# Altium PCB EVB-ANNA-B5x1_Certifi.PcbDoc (part 2 of 6)
Units mm, origin at the board's own origin, x right, y up, seen from the top; angles counter-clockwise.
Board outline 100 x 70 mm, 6 copper layers (L1, L2, L3, L4, L5, L6), stack 1.547 mm thick; 490 components, 296 nets, 1421 pads, 1473 vias.
Unrouted connection lines stored in the file: 3.
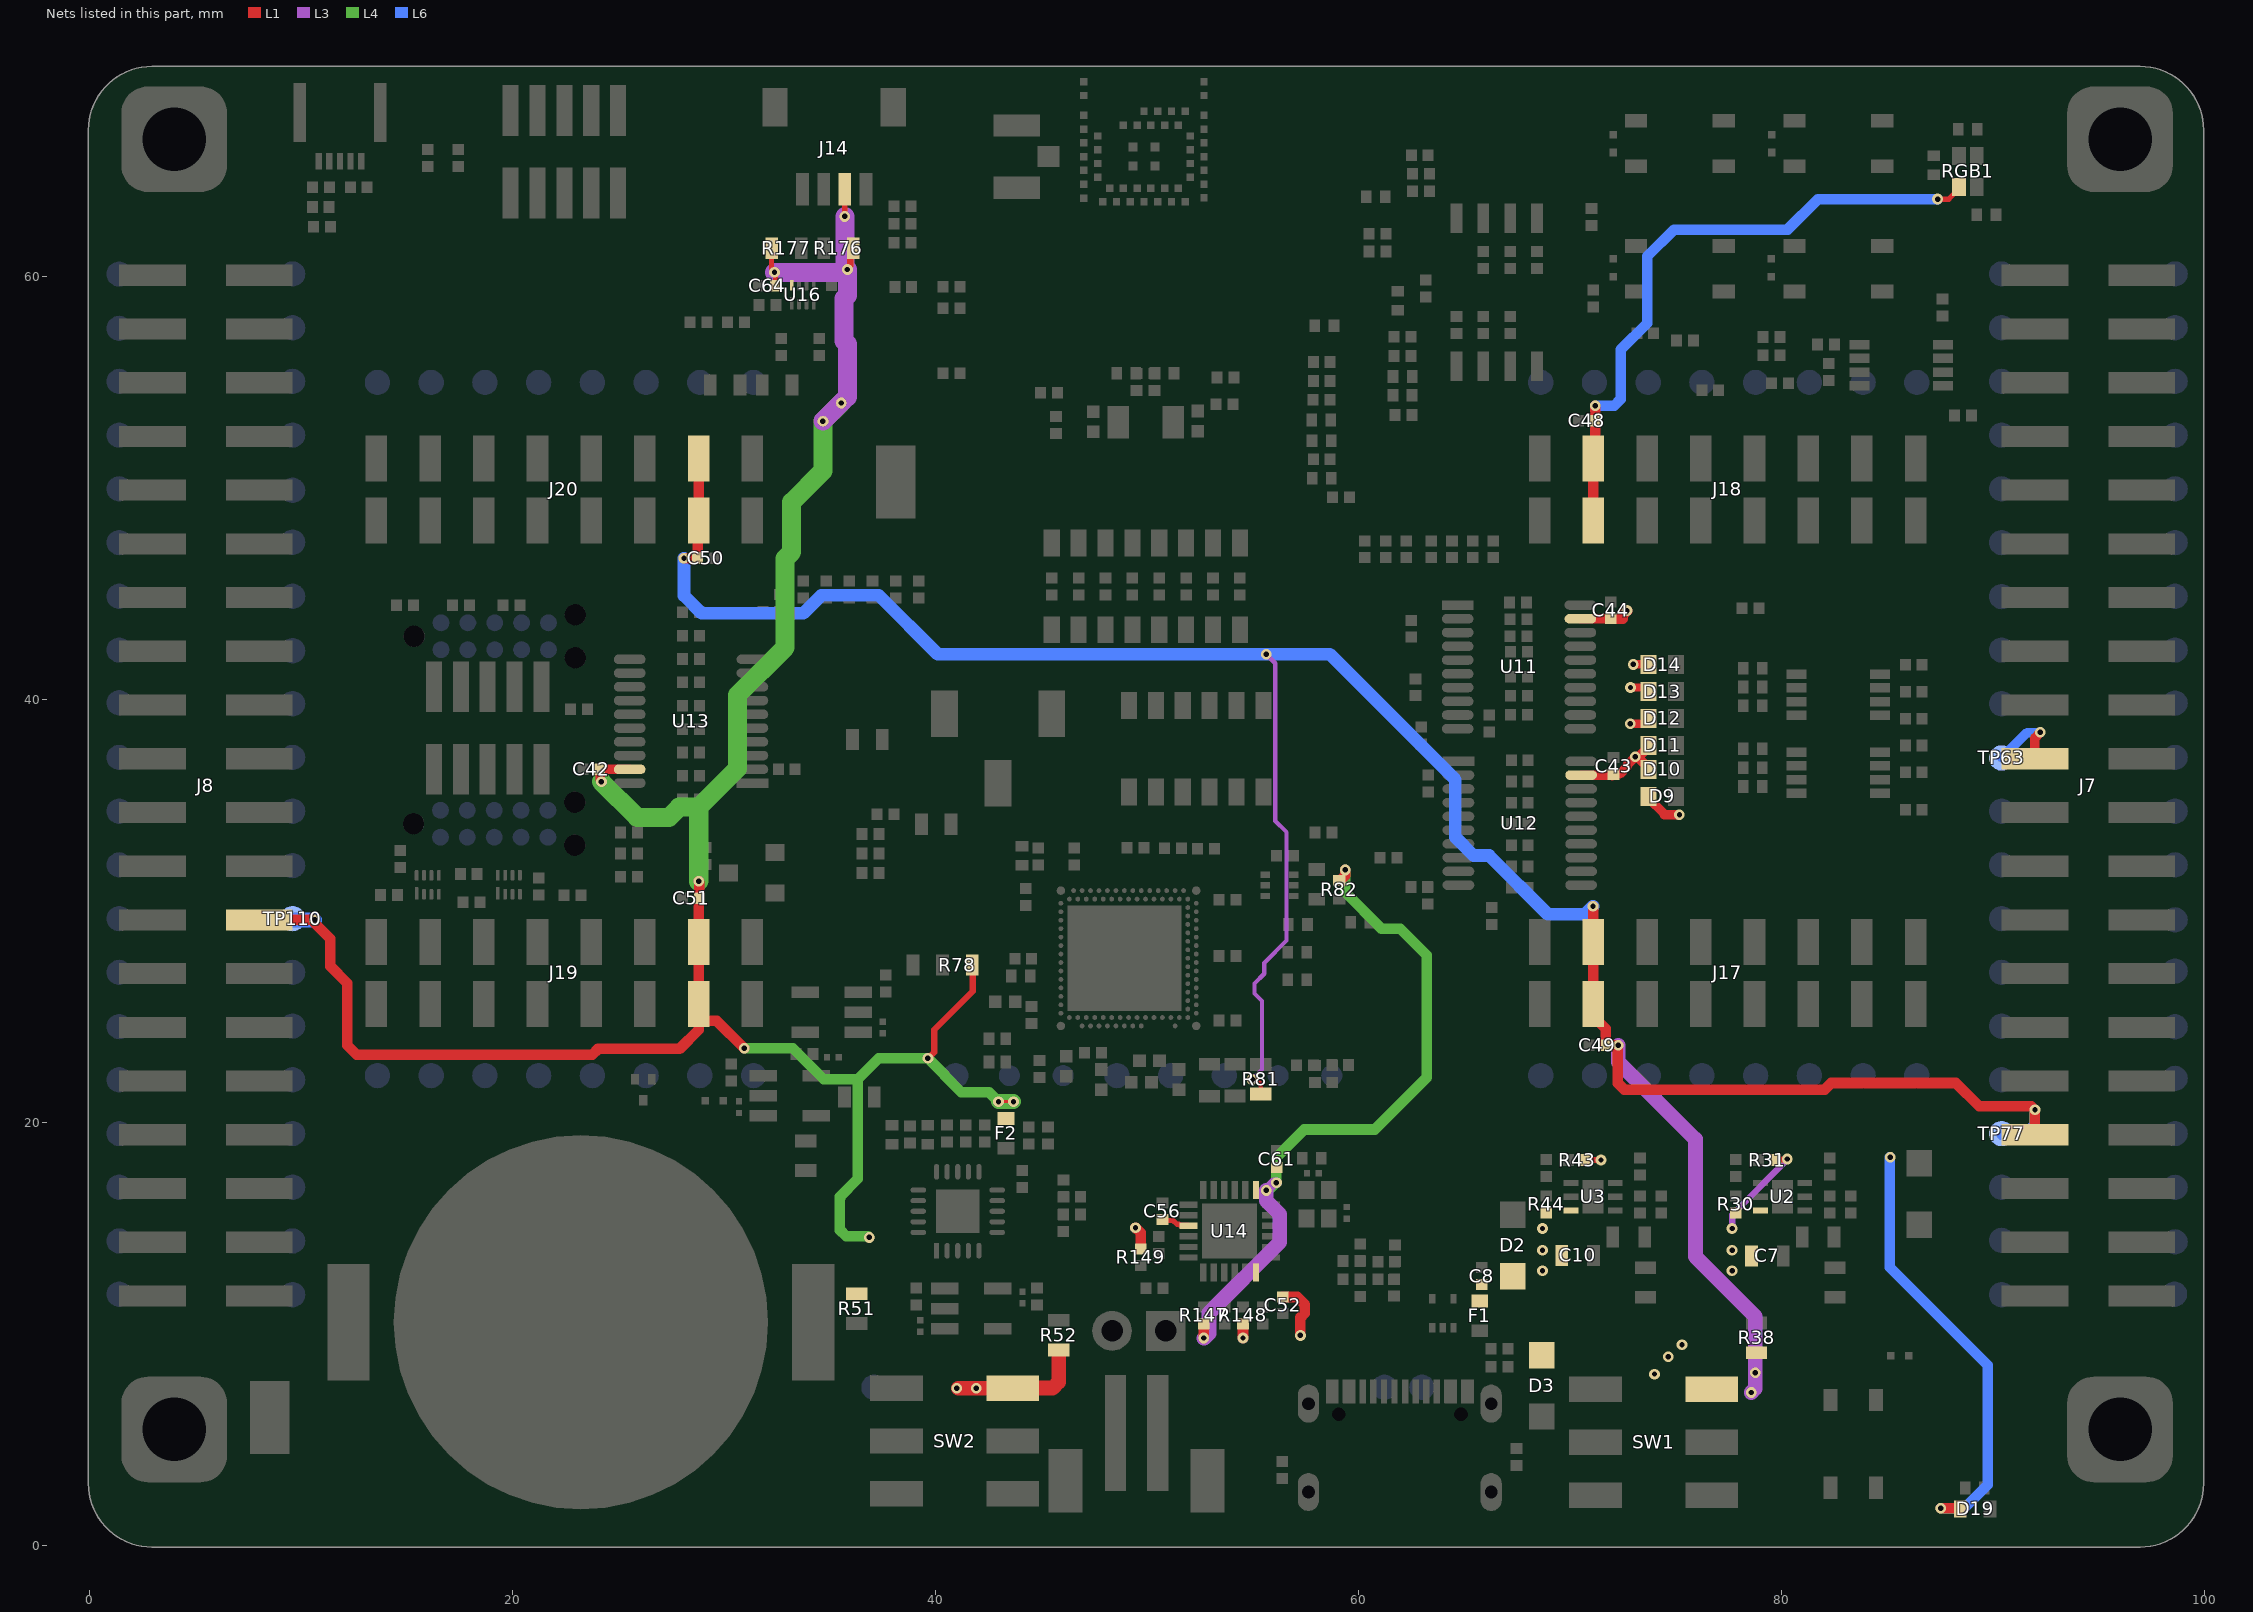
[diagram p6: the nets of this part, all layers, seen from the top]

## Footprints (in the part's own frame and the unit in brackets; to place one, negate y for a bottom-side part, rotate by r counter-clockwise, add the part's x,y. Pads: shape width x height; smd on the part's side, far side on the other; paste and mask are expansions set on the pad) (continued)
ANNA-B5 [mm] "Stand-alone BLE and IEEE802.15.4 module"
  rect 0.35x0.35 smd paste+0 mask+0: 1(0.41,6.09) 2(0.41,5.44) 3(0.41,4.498) 4(0.41,3.848) 7(0.41,1.898) 8(0.41,1.248) 34(6.09,5.44) 35(6.09,6.09)
  rect 0.35x0.35 smd paste+0 mask+0.05: 5(0.41,3.198) 6(0.41,2.548) 9(0.41,0.575) 10(1.06,3.523) 11(1.06,2.873) 12(1.06,2.223) 13(1.06,1.573) 14(1.3,0.41) 15(1.95,0.41) 16(2.6,0.41) 17(3.25,0.41) 18(3.9,0.41) 19(4.55,0.41) 20(5.2,0.41) 21(1.625,1.06) 22(2.275,1.06) 23(2.925,1.06) 24(3.575,1.06) 25(4.225,1.06) 26(4.875,1.06) 27(6.09,0.598) 28(6.09,1.248) 29(6.09,1.898) 30(6.09,2.548) 31(6.09,3.198) 32(6.09,3.848) 33(6.09,4.498) 36(5.44,1.573) 37(5.44,2.223) 38(5.44,2.873) 39(5.44,3.523) 40(5.2,4.685) 41(4.55,4.685) 42(3.9,4.685) 43(3.25,4.685) 47(4.875,4.035) 48(4.225,4.035) 49(3.575,4.035) 50(2.925,4.035) 51(2.275,4.035)
  rect 0.42x0.42 smd paste+0 mask+0: 53(2.73,2.998) 54(2.73,2.098) 55(3.77,2.098) 56(3.77,2.998)
  body extent 0,0 6.5,6.5, height 1.3
"AVX/Kyocera - 046284005001846" [mm] "FPC 0.50mm Pitch, 5Pin, R/A"
  rect 0.3x0.8 smd mask+0.05: 1(-1,2.3) 2(-0.5,2.3) 3(0,2.3) 4(0.5,2.3) 5(1,2.3)
  rect 0.6x2.8 smd mask+0: MP(-1.9,0) MP(1.9,0)
  silkscreen extent -2.22,1.55 2.22,2.42, body extent -2.2,-1.42 2.2,2.63, height 1.51
B2B-PH-SM4-TB [mm] "Connector Header Surface Mount, Vertical, 2 position 0.079\" (2.00mm)"
  rect 1x5.5 smd mask+0: 1(1,0)
  rect 1x5.5 smd mask+0.05: 2(-1,0)
  rect 1.6x3 smd mask+0: MH1(-3.35,2.25) MH1(3.35,2.25)
  silkscreen extent -4.1,-0.5 4.1,4.8, body extent -3.98,-2.3 3.98,4.7, height 6.61
"Cap 0201 HD"#1 [mm] "Chip Capacitor, 2-Leads, Body 0.60x0.30mm, IPC High Density"
  rect 0.3x0.3 smd: 1(-0.275,0)
  rect 0.3x0.3 smd mask+0: 2(0.275,0)
  body extent -0.32,-0.17 0.32,0.17, height 0.33
"Cap 0201 HD"#2 [mm] "Chip Capacitor, 2-Leads, Body 0.60x0.30mm, IPC High Density"
  rect 0.3x0.3 smd: 1(-0.275,0) 2(0.275,0)
  body extent -0.32,-0.17 0.32,0.17, height 0.33
"Cap 0402 HD"#1 [mm] "Chip Capacitor, 2-Leads, Body 1.00x0.50mm, IPC High Density"
  rect 0.52x0.55 smd: 1(-0.4,0) 2(0.4,0)
  body extent -0.55,-0.3 0.55,0.3, height 0.6
"Cap 0402 HD"#2 [mm] "Chip Capacitor, 2-Leads, Body 1.00x0.50mm, IPC High Density"
  rect 0.52x0.55 smd: 1(-0.4,0)
  rect 0.52x0.55 smd mask+0.05: 2(0.4,0)
  body extent -0.55,-0.3 0.55,0.3, height 0.6
"Cap 0402 HD"#3 [mm] "Chip Capacitor, 2-Leads, Body 1.00x0.50mm, IPC High Density"
  rect 0.52x0.55 smd mask+0.05: 1(-0.4,0)
  rect 0.52x0.55 smd: 2(0.4,0)
  body extent -0.55,-0.3 0.55,0.3, height 0.6
"Cap 0402 HD"#4 [mm] "Chip Capacitor, 2-Leads, Body 1.00x0.50mm, IPC High Density"
  rect 0.52x0.55 smd: 1(-0.4,0)
  rect 0.52x0.55 smd mask+0: 2(0.4,0)
  body extent -0.55,-0.3 0.55,0.3, height 0.6
"Cap 0402 HD"#5 [mm] "Chip Capacitor, 2-Leads, Body 1.00x0.50mm, IPC High Density"
  rect 0.52x0.55 smd mask+0.05: 1(-0.4,0)
  rect 0.52x0.55 smd mask+0: 2(0.4,0)
  body extent -0.55,-0.3 0.55,0.3, height 0.6
"Cap 0402 HD"#6 [mm] "Chip Capacitor, 2-Leads, Body 1.00x0.50mm, IPC High Density"
  rect 0.52x0.55 smd mask+0: 1(-0.4,0)
  rect 0.52x0.55 smd: 2(0.4,0)
  body extent -0.55,-0.3 0.55,0.3, height 0.6
Cap_0402_1100Lx600Wx600H_600x600Pad_350G_FLX [mm] "Chip Capacitor, 2-Leads, 0402, Tolerance +/-0.1mm, Body max. 1.10x0.60mm, Approved by Flex (Cadence Library compatible)"
  rect 0.6x0.6 smd: 1(-0.475,0) 2(0.475,0)
  body extent -0.55,-0.3 0.55,0.3, height 0.6
CAP_0603_1750Lx950Wx850H_600x1000Pad_900G_FLX#1 [mm] "Chip Cap 0603, 1.75mm x 9.5mm IPC High Density"
  rect 0.6x1 smd mask+0.05: 1(-0.75,0)
  rect 0.6x1 smd mask+0: 2(0.75,0)
  body extent -0.87,-0.48 0.87,0.47, height 0.85
CAP_0603_1750Lx950Wx850H_600x1000Pad_900G_FLX#2 [mm] "Chip Cap 0603, 1.75mm x 9.5mm IPC High Density"
  rect 0.6x1 smd: 1(-0.75,0) 2(0.75,0)
  body extent -0.87,-0.48 0.87,0.47, height 0.85
DFN0.65P-6Pin_W-Pad [mm] "DFN, 0.65mm Pitch, 6 Pin With Thermal Pad, 2mm x 2mm, TI DRV (S-PWSON-N6)"
  rect 0.3x0.7 smd paste-0.025 mask+0.05: 1(-0.65,-1.05) 6(-0.65,1.05)
  rect 0.3x0.7 smd paste-0.025 mask+0.07: 2(0,-1.05) 3(0.65,-1.05) 4(0.65,1.05) 5(0,1.05)
  rect 1.6x1 smd paste-0.1 mask+0.05: 7(0,0)
  silkscreen extent -1.2,-1.5 1.07,1.05, body extent -0.95,-1 0.95,1, height 0.8
DQE0008A [mm] "X2SON-8 8 pin Texas Instruments DQE0008A, .35mm pitch, 1.4mmX1.0mm"
  rrect50% 0.6x0.175 smd paste+0 mask+0.045: 1(-0.4,0.525)
  rrect50% 0.5x0.175 smd paste+0 mask+0.045: 2(-0.45,0.175) 3(-0.45,-0.175) 4(-0.45,-0.525) 5(0.45,-0.525) 6(0.45,-0.175) 7(0.45,0.175) 8(0.45,0.525)
  silkscreen extent -0.67,0.8 -0.65,0.8, body extent -0.5,-0.7 0.5,0.7, height 0.4
FIDUCIAL40 [mm] "FIDUCIAL .040\" Center, 0.075\" Outer Dia"
  L1 circle w0.152: c0,0 r0.434
  L1 region: 0,-0.434 -0.166,-0.401 -0.307,-0.307 -0.401,-0.166 -0.434,0 -0.434,0 -0.401,0.166 -0.307,0.307 -0.166,0.401 0,0.434 0,0.434 0.166,0.401 0.307,0.307 0.401,0.166 0.434,0 0.434,0 0.401,-0.166 0.307,-0.307 0.166,-0.401 0,-0.434
  L1 pour cut-out: 0,-0.889 -0.34,-0.821 -0.629,-0.629 -0.821,-0.34 -0.889,0 -0.889,0 -0.821,0.34 -0.629,0.629 -0.34,0.821 0,0.889 0,0.889 0.34,0.821 0.629,0.629 0.821,0.34 0.889,0 0.889,0 0.821,-0.34 0.629,-0.629 0.34,-0.821 0,-0.889
Harwin_0_MFG#1 [mm]
  rect 3.45x1.85 smd paste+0 mask+0: 1(0,0)
  silkscreen extent -2.12,-1.33 2.12,1.33, body extent -1.83,-1.02 1.83,1.02, height 0.25
Harwin_0_MFG#2 [mm]
  rect 3.45x1.85 smd paste+0 mask+0.05: 1(0,0)
  silkscreen extent -2.12,-1.33 2.12,1.33, body extent -1.83,-1.02 1.83,1.02, height 0.25
HDR-0.1P-2PIN-TH [mil] "Header 0.1\" Pitch, 2 Pin, 2x1, Through Hole"
  rect 74x74 hole 40 mask+1.97: 1(0,-50)
  round 74 hole 40: 2(0,50)
  silkscreen extent -50,-102 72,100, body extent -50,-100 50,100, height 320
HDR-0.1P-3Pin-1Row-SMT [mm] "Header 0.1\" Pitch, 3 Pin, 3x1, Surface Mount"
  rect 1.27x2.2 smd mask+0: 1(-2.54,1.65)
  rect 1.27x2.2 smd: 2(0,-1.65) 3(2.54,1.65)
  silkscreen extent -3.9,-1.5 3.9,2.38, body extent -3.81,-2.54 3.81,2.54, height 9.93
HDR.050P-10Pin-2x5-SMT_Key#1 [mm] "Header, 0.05\" Pitch, 10 Pin 2 x 5, Keyed, SMT, 6.35mm x 5.84mm"
  rect 0.76x2.4 smd: 1(-2.54,-1.95) 2(-2.54,1.95) 3(-1.27,-1.95) 4(-1.27,1.95) 5(0,-1.95) 6(0,1.95) 7(1.27,-1.95) 8(1.27,1.95) 9(2.54,-1.95) 10(2.54,1.95)
  silkscreen extent -3.75,-3.2 -3.15,-2.6, body extent -3.4,-2.9 3.4,2.9, height 5.96
HDR.050P-10Pin-2x5-SMT_Key#2 [mm] "Header, 0.05\" Pitch, 10 Pin 2 x 5, Keyed, SMT, 6.35mm x 5.84mm"
  rect 0.76x2.4 smd: 1(-2.54,-1.95) 2(-2.54,1.95) 4(-1.27,1.95) 6(0,1.95) 7(1.27,-1.95) 8(1.27,1.95) 10(2.54,1.95)
  rect 0.76x2.4 smd mask+0: 3(-1.27,-1.95) 5(0,-1.95) 9(2.54,-1.95)
  silkscreen extent -3.75,-3.2 -3.15,-2.6, body extent -3.4,-2.9 3.4,2.9, height 5.96
IND_0603_1750Lx950Wx1050H_600x800Pad_800G_FLX [mm] "Chip Inductor 0603, 2-Leads, Body 1.60x0.80mm, IPC High Density"
  rect 0.6x0.8 smd: 1(-0.7,0)
  rect 0.6x0.8 smd mask+0.05: 2(0.7,0)
  body extent -0.87,-0.48 0.87,0.48, height 1.05
LED_0603_1600Lx800Wx400H_600x800Pad_800G_FLX [mm] "led-0603"
  rect 0.6x0.8 smd: 1(-0.7,0) 2(0.7,0)
  silkscreen extent -1.89,-0.48 -1.47,0.52, body extent -0.8,-0.4 0.8,0.4, height 0.6
LED_0603_GREEN [mm] "Green 571nm LED Indication - Discrete 2V 0603 (1608 Metric)"
  rect 0.75x0.9 smd: 1(-0.65,0)
  rect 0.75x0.9 smd mask+0: 2(0.65,0)
  silkscreen extent -1.52,-0.5 -1.23,0.5, body extent -0.85,-0.45 0.85,0.45, height 0.9
LED_0603_YELLOW [mm] "Yellow 588nm LED Indication - Discrete 2.1V 0603 (1608 Metric)"
  rect 0.75x0.9 smd: 1(-0.65,0)
  rect 0.75x0.9 smd mask+0: 2(0.65,0)
  silkscreen extent -1.52,-0.5 -1.23,0.5, body extent -0.85,-0.45 0.85,0.45, height 0.9
LED_1616 [mm]
  rect 0.65x0.85 smd: 1(-0.425,0.725) 2(0.425,0.725) 3(0.425,-0.725) 4(-0.425,-0.725)
  silkscreen extent -1.4,-1.42 1.01,1.75, body extent -0.83,-0.83 0.83,0.83, height 0.4
M208762042 [mm]
  rect 1x3.15 smd mask+0: 1(-24.13,-2.525) 10(-13.97,2.525) 21(1.27,-2.525) 28(8.89,2.525)
  rect 1x3.15 smd: 2(-24.13,2.525) 3(-21.59,-2.525) 4(-21.59,2.525) 5(-19.05,-2.525) 6(-19.05,2.525) 7(-16.51,-2.525) 8(-16.51,2.525) 9(-13.97,-2.525) 11(-11.43,-2.525) 12(-11.43,2.525) 13(-8.89,-2.525) 14(-8.89,2.525) 15(-6.35,-2.525) 16(-6.35,2.525) 17(-3.81,-2.525) 18(-3.81,2.525) 19(-1.27,-2.525) 20(-1.27,2.525) 22(1.27,2.525) 23(3.81,-2.525) 24(3.81,2.525) 25(6.35,-2.525) 26(6.35,2.525) 27(8.89,-2.525) 29(11.43,-2.525) 30(11.43,2.525) 31(13.97,-2.525) 32(13.97,2.525) 33(16.51,-2.525) 34(16.51,2.525) 35(19.05,-2.525) 36(19.05,2.525) 37(21.59,-2.525) 38(21.59,2.525) 39(24.13,-2.525) 40(24.13,2.525)
  silkscreen extent -25.4,-3 25.4,2.5, body extent -25.42,-3.52 25.38,3.68, height 9.61
nRF5340_AQFN94 [mm] "nRF5340 AQFN, 98-Leads, Body 7.00x7.00mm, Pitch 0.40mm, Thermal Pad 5.4x5.0mm, IPC Medium Density"
  rect 5.4x5 smd paste-5 mask+0.05: 104(0.2,0)
  round 0.4 smd paste+0.012 mask+0.05: A1(-3.2,3.2) A31(3.2,3.2) AL1(-3.2,-3.2) AL31(3.2,-3.2)
  round 0.225 smd paste+0.012 mask+0.05: A5(-2.2,3.2) A13(-0.6,3.2) A15(-0.2,3.2) A17(0.2,3.2) A19(0.6,3.2) A21(1,3.2) A23(1.4,3.2) A25(1.8,3.2) A27(2.2,3.2) AA1(-3.2,-1) AA31(3.2,-1) AB2(-2.8,-1.2) AC1(-3.2,-1.4) AC31(3.2,-1.4) AD2(-2.8,-1.6) AE1(-3.2,-1.8) AE31(3.2,-1.8) AF2(-2.8,-2) AG1(-3.2,-2.2) AG31(3.2,-2.2) AH2(-2.8,-2.4) AJ1(-3.2,-2.6) AJ31(3.2,-2.6) AK2(-2.8,-2.8) AK4(-2.4,-2.8) AK6(-2,-2.8) AK8(-1.6,-2.8) AK10(-1.2,-2.8) AK12(-0.8,-2.8) AK14(-0.4,-2.8) AK16(0,-2.8) AK18(0.4,-2.8) AK20(0.8,-2.8) AK22(1.2,-2.8) AK24(1.6,-2.8) AK26(2,-2.8) AK28(2.4,-2.8) AK30(2.8,-2.8) AL3(-2.6,-3.2) AL5(-2.2,-3.2) AL7(-1.8,-3.2) AL9(-1.4,-3.2) AL11(-1,-3.2) AL13(-0.6,-3.2) AL15(-0.2,-3.2) AL17(0.2,-3.2) AL19(0.6,-3.2) AL21(1,-3.2) AL23(1.4,-3.2) AL25(1.8,-3.2) AL27(2.2,-3.2) AL29(2.6,-3.2) B2(-2.8,2.8) B4(-2.4,2.8) B6(-2,2.8) B8(-1.6,2.8) B10(-1.2,2.8) B12(-0.8,2.8) B14(-0.4,2.8) B16(0,2.8) B18(0.4,2.8) B20(0.8,2.8) B22(1.2,2.8) B24(1.6,2.8) B26(2,2.8) B28(2.4,2.8) B30(2.8,2.8) C1(-3.2,2.6) C31(3.2,2.6) D2(-2.8,2.4) E1(-3.2,2.2) E31(3.2,2.2) F2(-2.8,2) G1(-3.2,1.8) G31(3.2,1.8) H2(-2.8,1.6) J1(-3.2,1.4) J31(3.2,1.4) K2(-2.8,1.2) L1(-3.2,1) L31(3.2,1) M2(-2.8,0.8) N1(-3.2,0.6) N31(3.2,0.6) P2(-2.8,0.4) R1(-3.2,0.2) R31(3.2,0.2) T2(-2.8,0) U1(-3.2,-0.2) U31(3.2,-0.2) V2(-2.8,-0.4) W1(-3.2,-0.6) W31(3.2,-0.6) Y2(-2.8,-0.8)
  rrect50% 1.1x1 on Top Paste: ""(-1.75,1.8) ""(-1.75,-0.6) ""(-1.75,0.6) ""(-1.75,-1.8) ""(-0.45,1.8) ""(-0.45,0.6) ""(-0.45,-0.6) ""(-0.45,-1.8) ""(0.85,1.8) ""(0.85,-0.6) ""(0.85,0.6) ""(0.85,-1.8) ""(2.15,1.8) ""(2.15,-0.6) ""(2.15,0.6) ""(2.15,-1.8)
  silkscreen extent -3.73,3.25 -3.63,3.35, body extent -3.5,-3.5 3.5,3.5, height 0.85
PTS810SJG250SMTRLFS#1 [mm]
  rect 1.05x0.65 smd: 1(-2.075,1.075) 2(2.075,1.075) 3(-2.075,-1.075) 4(2.075,-1.075)
  silkscreen extent -3.1,-1.6 2.07,1.6, body extent -2.3,-1.6 2.3,1.6, height 2.7
PTS810SJG250SMTRLFS#2 [mm]
  rect 1.05x0.65 smd: 1(-2.075,1.075) 2(2.075,1.075)
  rect 1.05x0.65 smd mask+0: 3(-2.075,-1.075) 4(2.075,-1.075)
  silkscreen extent -3.1,-1.6 2.07,1.6, body extent -2.3,-1.6 2.3,1.6, height 2.7
PTS810SJG250SMTRLFS#3 [mm]
  rect 1.05x0.65 smd: 1(-2.075,1.075) 2(2.075,1.075) 3(-2.075,-1.075)
  rect 1.05x0.65 smd mask+0: 4(2.075,-1.075)
  silkscreen extent -3.1,-1.6 2.07,1.6, body extent -2.3,-1.6 2.3,1.6, height 2.7
QFN50P400X400X100-25N-D [mm]
  rect 0.85x0.3 smd mask-2539.97: 1(-1.95,1.25) 6(-1.95,-1.25) 13(1.95,-1.25) 18(1.95,1.25)
  rect 0.85x0.3 smd: 2(-1.95,0.75) 3(-1.95,0.25) 4(-1.95,-0.25) 5(-1.95,-0.75) 14(1.95,-0.75) 15(1.95,-0.25) 16(1.95,0.25) 17(1.95,0.75)
  rect 0.3x0.85 smd mask-2539.97: 7(-1.25,-1.95) 12(1.25,-1.95) 19(1.25,1.95) 24(-1.25,1.95)
  rect 0.3x0.85 smd: 8(-0.75,-1.95) 9(-0.25,-1.95) 10(0.25,-1.95) 11(0.75,-1.95) 20(0.75,1.95) 21(0.25,1.95) 22(-0.25,1.95) 23(-0.75,1.95)
  rect 2.6x2.6 smd: 25(0,0)
  silkscreen extent -2.5,1.88 -2.25,2.13, body extent -2.05,-2.05 2.05,2.05, height 1
QFN_5x5_FT231XQ [mm]
  rect 0.74x0.242 smd paste+0 mask+0.05: 1(-1.866,1)
  rrect100% 0.74x0.242 smd paste+0 mask+0.05: 2(-1.866,0.5) 3(-1.866,0) 4(-1.866,-0.5) 5(-1.866,-1) 11(1.866,-1) 12(1.866,-0.5) 13(1.866,0) 14(1.866,0.5) 15(1.866,1)
  rrect100% 0.242x0.74 smd paste+0 mask+0.05: 6(-1,-1.866) 7(-0.5,-1.866) 8(0,-1.866) 9(0.5,-1.866) 10(1,-1.866) 16(1,1.866) 17(0.5,1.866) 18(0,1.866) 19(-0.5,1.866) 20(-1,1.866)
  rect 2.05x2.05 smd paste-1000 mask+0.05: 21(0,0)
  silkscreen extent -2.76,-2 2,2, body extent -2.34,-2.34 2.34,2.34, height 0.25
"RES 0402 HD"#1 [mm] "Chip Resistor, 2-Leads, Body 1.05x0.54mm, IPC High Density"
  rect 0.52x0.55 smd: 1(-0.4,0) 2(0.4,0)
  body extent -0.55,-0.3 0.55,0.3, height 0.4
"RES 0402 HD"#2 [mm] "Chip Resistor, 2-Leads, Body 1.05x0.54mm, IPC High Density"
  rect 0.52x0.55 smd: 1(-0.4,0)
  rect 0.52x0.55 smd mask+0.05: 2(0.4,0)
  body extent -0.55,-0.3 0.55,0.3, height 0.4
"RES 0402 HD"#3 [mm] "Chip Resistor, 2-Leads, Body 1.05x0.54mm, IPC High Density"
  rect 0.52x0.55 smd mask+0.05: 1(-0.4,0)
  rect 0.52x0.55 smd: 2(0.4,0)
  body extent -0.55,-0.3 0.55,0.3, height 0.4
"RES 0402 HD"#4 [mm] "Chip Resistor, 2-Leads, Body 1.05x0.54mm, IPC High Density"
  rect 0.52x0.55 smd: 1(-0.4,0)
  rect 0.52x0.55 smd mask+0: 2(0.4,0)
  body extent -0.55,-0.3 0.55,0.3, height 0.4
"RES 0402 HD"#5 [mm] "Chip Resistor, 2-Leads, Body 1.05x0.54mm, IPC High Density"
  rect 0.52x0.55 smd mask+0: 1(-0.4,0)
  rect 0.52x0.55 smd: 2(0.4,0)
  body extent -0.55,-0.3 0.55,0.3, height 0.4
RES_0402_1100Lx600Wx400H_500x600Pad_400G_FLX [mm] "Chip Resistor, 2-Leads, Body 1.05x0.54mm, IPC High Density"
  rect 0.5x0.6 smd: 1(-0.45,0) 2(0.45,0)
  silkscreen extent -0.1,-0.5 0.1,0.5, body extent -0.55,-0.3 0.55,0.3, height 0.4
RES_0603_1700Lx950Wx600H_600x1000Pad_800G_FLX#1 [mm] "Chip Cap 0603, 1.75mm x 9.5mm IPC High Density"
  rect 0.6x1 smd mask+0.05: 1(-0.7,0) 2(0.7,0)
  body extent -0.85,-0.48 0.85,0.47, height 0.6
RES_0603_1700Lx950Wx600H_600x1000Pad_800G_FLX#2 [mm] "Chip Cap 0603, 1.75mm x 9.5mm IPC High Density"
  rect 0.6x1 smd: 1(-0.7,0) 2(0.7,0)
  body extent -0.85,-0.48 0.85,0.47, height 0.6
RES_0603_1700Lx950Wx600H_600x1000Pad_800G_FLX#3 [mm] "Chip Cap 0603, 1.75mm x 9.5mm IPC High Density"
  rect 0.6x1 smd mask+0.05: 1(-0.7,0)
  rect 0.6x1 smd: 2(0.7,0)
  body extent -0.85,-0.48 0.85,0.47, height 0.6
RES_0603_1700Lx950Wx600H_600x1000Pad_800G_FLX#4 [mm] "Chip Cap 0603, 1.75mm x 9.5mm IPC High Density"
  rect 0.6x1 smd: 1(-0.7,0)
  rect 0.6x1 smd mask+0: 2(0.7,0)
  body extent -0.85,-0.48 0.85,0.47, height 0.6
RES_0603_1700Lx950Wx600H_600x1000Pad_800G_FLX#5 [mm] "Chip Cap 0603, 1.75mm x 9.5mm IPC High Density"
  rect 0.6x1 smd mask+0: 1(-0.7,0)
  rect 0.6x1 smd: 2(0.7,0)
  body extent -0.85,-0.48 0.85,0.47, height 0.6
SKT-0.1P-SSM-108-L-SV [mm] "Con Socket Strip 0.1\" 8 Pin 1Row SMD, 20.32mm x 2.54mm"
  rect 1.02x2.19 smd: 1(-8.89,-1.465) 1(-8.89,1.465) 2(-6.35,-1.465) 2(-6.35,1.465) 3(-3.81,-1.465) 3(-3.81,1.465) 4(-1.27,1.465) 4(-1.27,-1.465) 5(1.27,1.465) 5(1.27,-1.465) 6(3.81,1.465) 6(3.81,-1.465) 7(6.35,-1.465) 7(6.35,1.465)
  rect 1.02x2.19 smd mask+0: 8(8.89,-1.465) 8(8.89,1.465)
  silkscreen extent -10.28,-2.25 10.28,1.4, body extent -10.16,-2.29 10.16,2.29, height 7.44
SM04B-SRSS-TB [mm] "CONN HEADER SMD R/A 4POS 1MM"
  rect 0.6x1.55 smd: 1(-1.5,3.875) 2(-0.5,3.875) 3(0.5,3.875) 4(1.5,3.875)
  rect 1.2x1.8 smd mask+0: M1(-2.8,0) M2(2.8,0)
  silkscreen extent -2.2,3.7 -2,3.9, body extent -3,-0.69 3,4.26, height 2.96
SOD-123F_U#1 [mm] "SOD-123F, Unidirectional, 2-Leads, Body 1.65x3.60mm, IPC High Density"
  rect 1.25x1.2 smd mask+0.05: A(1.45,0) C(-1.45,0)
  silkscreen extent -2.52,-0.95 1.43,0.95, body extent -1.45,-0.9 1.45,0.9, height 0.98
SOD-123F_U#2 [mm] "SOD-123F, Unidirectional, 2-Leads, Body 1.65x3.60mm, IPC High Density"
  rect 1.25x1.2 smd mask+0.05: A(1.45,0)
  rect 1.25x1.2 smd: C(-1.45,0)
  silkscreen extent -2.52,-0.95 1.43,0.95, body extent -1.45,-0.9 1.45,0.9, height 0.98
SOD-923#1 [mm] "SOD-923, 2-Leads, Body 1.25x2.50mm, IPC High Density,"
  rect 0.36x0.35 smd mask+0.05: 1(-0.42,0)
  rect 0.36x0.35 smd mask+0: 2(0.42,0)
  silkscreen extent -0.75,-0.25 -0.75,0.25, body extent -0.4,-0.3 0.4,0.3, height 0.4
SOD-923#2 [mm] "SOD-923, 2-Leads, Body 1.25x2.50mm, IPC High Density,"
  rect 0.36x0.35 smd mask+0.05: 1(-0.42,0) 2(0.42,0)
  silkscreen extent -0.75,-0.25 -0.75,0.25, body extent -0.4,-0.3 0.4,0.3, height 0.4
SOIC-8W [mm] "SOIC, 8-Leads, Wide Body 5.28x5.28mm, Pitch 1.27mm, IPC High Density"
  rect 1.4x0.55 smd: 1(-3.5,1.905) 2(-3.5,0.635) 3(-3.5,-0.635) 5(3.5,-1.905) 6(3.5,-0.635) 7(3.5,0.635) 8(3.5,1.905)
  rect 1.4x0.55 smd mask+0: 4(-3.5,-1.905)
  silkscreen extent -3.62,-2.7 2.4,2.99, body extent -2.7,-2.7 2.7,2.7, height 2.16
SOP65P400X110-8N [mm]
  rect 0.95x0.45 smd: 1(-1.975,0.975) 2(-1.975,0.325) 3(-1.975,-0.325) 4(-1.975,-0.975) 5(1.975,-0.975) 6(1.975,-0.325) 7(1.975,0.325) 8(1.975,0.975)
  silkscreen extent -2.45,-1.5 1.15,1.55, body extent -2.01,-1.5 2.01,1.5, height 0.93
SOT-23 [mm] "SOT23, 3-Leads, Body 2.92x2.40mm, Pitch 0.95mm, IPC Medium Density"
  rect 0.9x0.8 smd: 1(-1.1,0.95) 3(1.1,0)
  rect 0.9x0.8 smd mask+0: 2(-1.1,-0.95)
  silkscreen extent -0.7,-1.55 0.7,1.55, body extent -0.7,-1.52 0.7,1.53, height 1.2
SOT-23-5_2#1 [mm] "SOT-23-5, 1.625mm x 2.9mm"
  rect 1.3x0.55 smd mask+0.05: 1(-1.25,0.95) 3(-1.25,-0.95) 5(1.25,0.95)
  rect 1.3x0.55 smd: 2(-1.25,0) 4(1.25,-0.95)
  silkscreen extent -1.71,1.39 -1.69,1.41, body extent -1.4,-1.45 1.4,1.45, height 1.45
SOT-23-5_2#2 [mm] "SOT-23-5, 1.625mm x 2.9mm"
  rect 1.3x0.55 smd: 1(-1.25,0.95) 3(-1.25,-0.95) 4(1.25,-0.95) 5(1.25,0.95)
  rect 1.3x0.55 smd mask+0.05: 2(-1.25,0)
  silkscreen extent -1.71,1.39 -1.69,1.41, body extent -1.4,-1.45 1.4,1.45, height 1.45
SOT-23-5_2#3 [mm] "SOT-23-5, 1.625mm x 2.9mm"
  rect 1.3x0.55 smd mask+0.05: 1(-1.25,0.95) 3(-1.25,-0.95)
  rect 1.3x0.55 smd mask+0: 2(-1.25,0)
  rect 1.3x0.55 smd: 4(1.25,-0.95) 5(1.25,0.95)
  silkscreen extent -1.71,1.39 -1.69,1.41, body extent -1.4,-1.45 1.4,1.45, height 1.45
SOT-553 [mm] "SOT-553, 5 lead 0.50mm pitch, 1.3mm x 1.7mm"
  rect 0.45x0.3 smd mask+0.05: 1(-0.675,0.5) 2(-0.675,0) 3(-0.675,-0.5) 4(0.675,-0.5) 5(0.675,0.5)
  silkscreen extent -0.3,-0.85 0.3,0.85, body extent -0.68,-0.85 0.67,0.85, height 0.6
SOT-563 [mm] "SOTFL, 6-Leads, Body 1.60x1.60mm, Pitch 0.50mm"
  rect 0.45x0.3 smd: 1(-0.675,0.5) 2(-0.675,0) 3(-0.675,-0.5) 4(0.675,-0.5) 5(0.675,0) 6(0.675,0.5)
  silkscreen extent -0.89,-0.85 0.05,1.14, body extent -0.8,-0.8 0.8,0.8, height 0.59
SOT-723 [mm] "SOT-723, 3-Leads, 1.20mm x 1.20mm, Pitch 0.40mm, IPC High Density"
  rect 0.5x0.36 smd: 1(-0.5,0.4) 2(-0.5,-0.4)
  rect 0.5x0.4 smd: 3(0.5,0)
  silkscreen extent -0.05,-0.65 0.45,0.65, body extent -0.45,-0.65 0.45,0.65, height 0.55
SW_Slide_DPDT_JS202011SCQN#1 [mm] "SWITCH SLIDE DPDT 300MA 6V SMD"
  rect 1.2x2.5 smd mask+0.05: 1(-2.5,-2.75) 2(0,-2.75) 4(-2.5,2.75) 5(0,2.75)
  rect 1.2x2.5 smd: 3(2.5,-2.75) 6(2.5,2.75)
  silkscreen extent -4.5,-2.46 4.5,1.8, body extent -4.52,-3.75 4.52,3.75, height 5.5
SW_Slide_DPDT_JS202011SCQN#2 [mm] "SWITCH SLIDE DPDT 300MA 6V SMD"
  rect 1.2x2.5 smd mask+0.05: 1(-2.5,-2.75)
  rect 1.2x2.5 smd: 2(0,-2.75) 3(2.5,-2.75) 4(-2.5,2.75) 5(0,2.75) 6(2.5,2.75)
  silkscreen extent -4.5,-2.47 4.5,1.8, body extent -4.52,-3.75 4.52,3.75, height 5.5
TC2050-IDC-NL#1 [mm] "CON PADS FOR CBL PLUG-OF-NAILS 10-PIN NO LEGS"
  round 0.8 smd paste-0.9: 1(0,0) 2(1.27,0) 3(2.54,0) 4(3.81,0) 5(5.08,0) 6(5.08,1.27) 7(3.81,1.27) 8(2.54,1.27) 9(1.27,1.27) 10(0,1.27)
  round 1 hole 1 paste+0: A(-1.27,0.635) B(6.35,-0.381) C(6.35,1.651)
  L1 pour cut-out: 0,1.27 5.08,1.27 5.08,0 0,0
TC2050-IDC-NL#2 [mm] "CON PADS FOR CBL PLUG-OF-NAILS 10-PIN NO LEGS"
  round 0.8 smd paste-0.9: 1(0,0) 2(1.27,0) 3(2.54,0) 4(3.81,0) 5(5.08,0) 6(5.08,1.27) 7(3.81,1.27) 8(2.54,1.27) 9(1.27,1.27) 10(0,1.27)
  round 1 hole 1 paste-1.1: A(-1.27,0.635)
  round 1 hole 1 paste+0: B(6.35,-0.381) C(6.35,1.651)
  L1 pour cut-out: 0,1.27 5.08,1.27 5.08,0 0,0
TP10R [mm] "Testpoint, Round 1.0mm Dia"
  round 1 smd paste-0.5: 1(0,0)
  silkscreen extent -0.7,-0.7 0.7,0.7, body extent -0.5,-0.5 0.5,0.5, height 0.05
TP12R [mm] "Testpoint, Round 1.2mm Dia"
  round 1.2 smd paste-0.5: 1(0,0)
  silkscreen extent -0.8,-0.8 0.8,0.8, body extent -0.6,-0.6 0.6,0.6, height 0.05
TSOP0.65P6.40X1.20-20Pin [mm] "TSOP, 20-Leads, Body 6.50x4.40mm, Pitch 0.65mm, IPC Medium Density"
  rect 1.5x0.45 smd: 1(-2.9,2.925)
  oval 1.5x0.45 smd: 2(-2.9,2.275) 3(-2.9,1.625) 4(-2.9,0.975) 5(-2.9,0.325) 6(-2.9,-0.325) 7(-2.9,-0.975) 8(-2.9,-1.625) 9(-2.9,-2.275) 10(-2.9,-2.925) 11(2.9,-2.925) 12(2.9,-2.275) 13(2.9,-1.625) 14(2.9,-0.975) 15(2.9,-0.325) 16(2.9,0.325) 17(2.9,0.975) 18(2.9,1.625) 19(2.9,2.275) 20(2.9,2.925)